# Altium PCB controller_V1.3.1.PcbDoc (part 1 of 7) (continued)
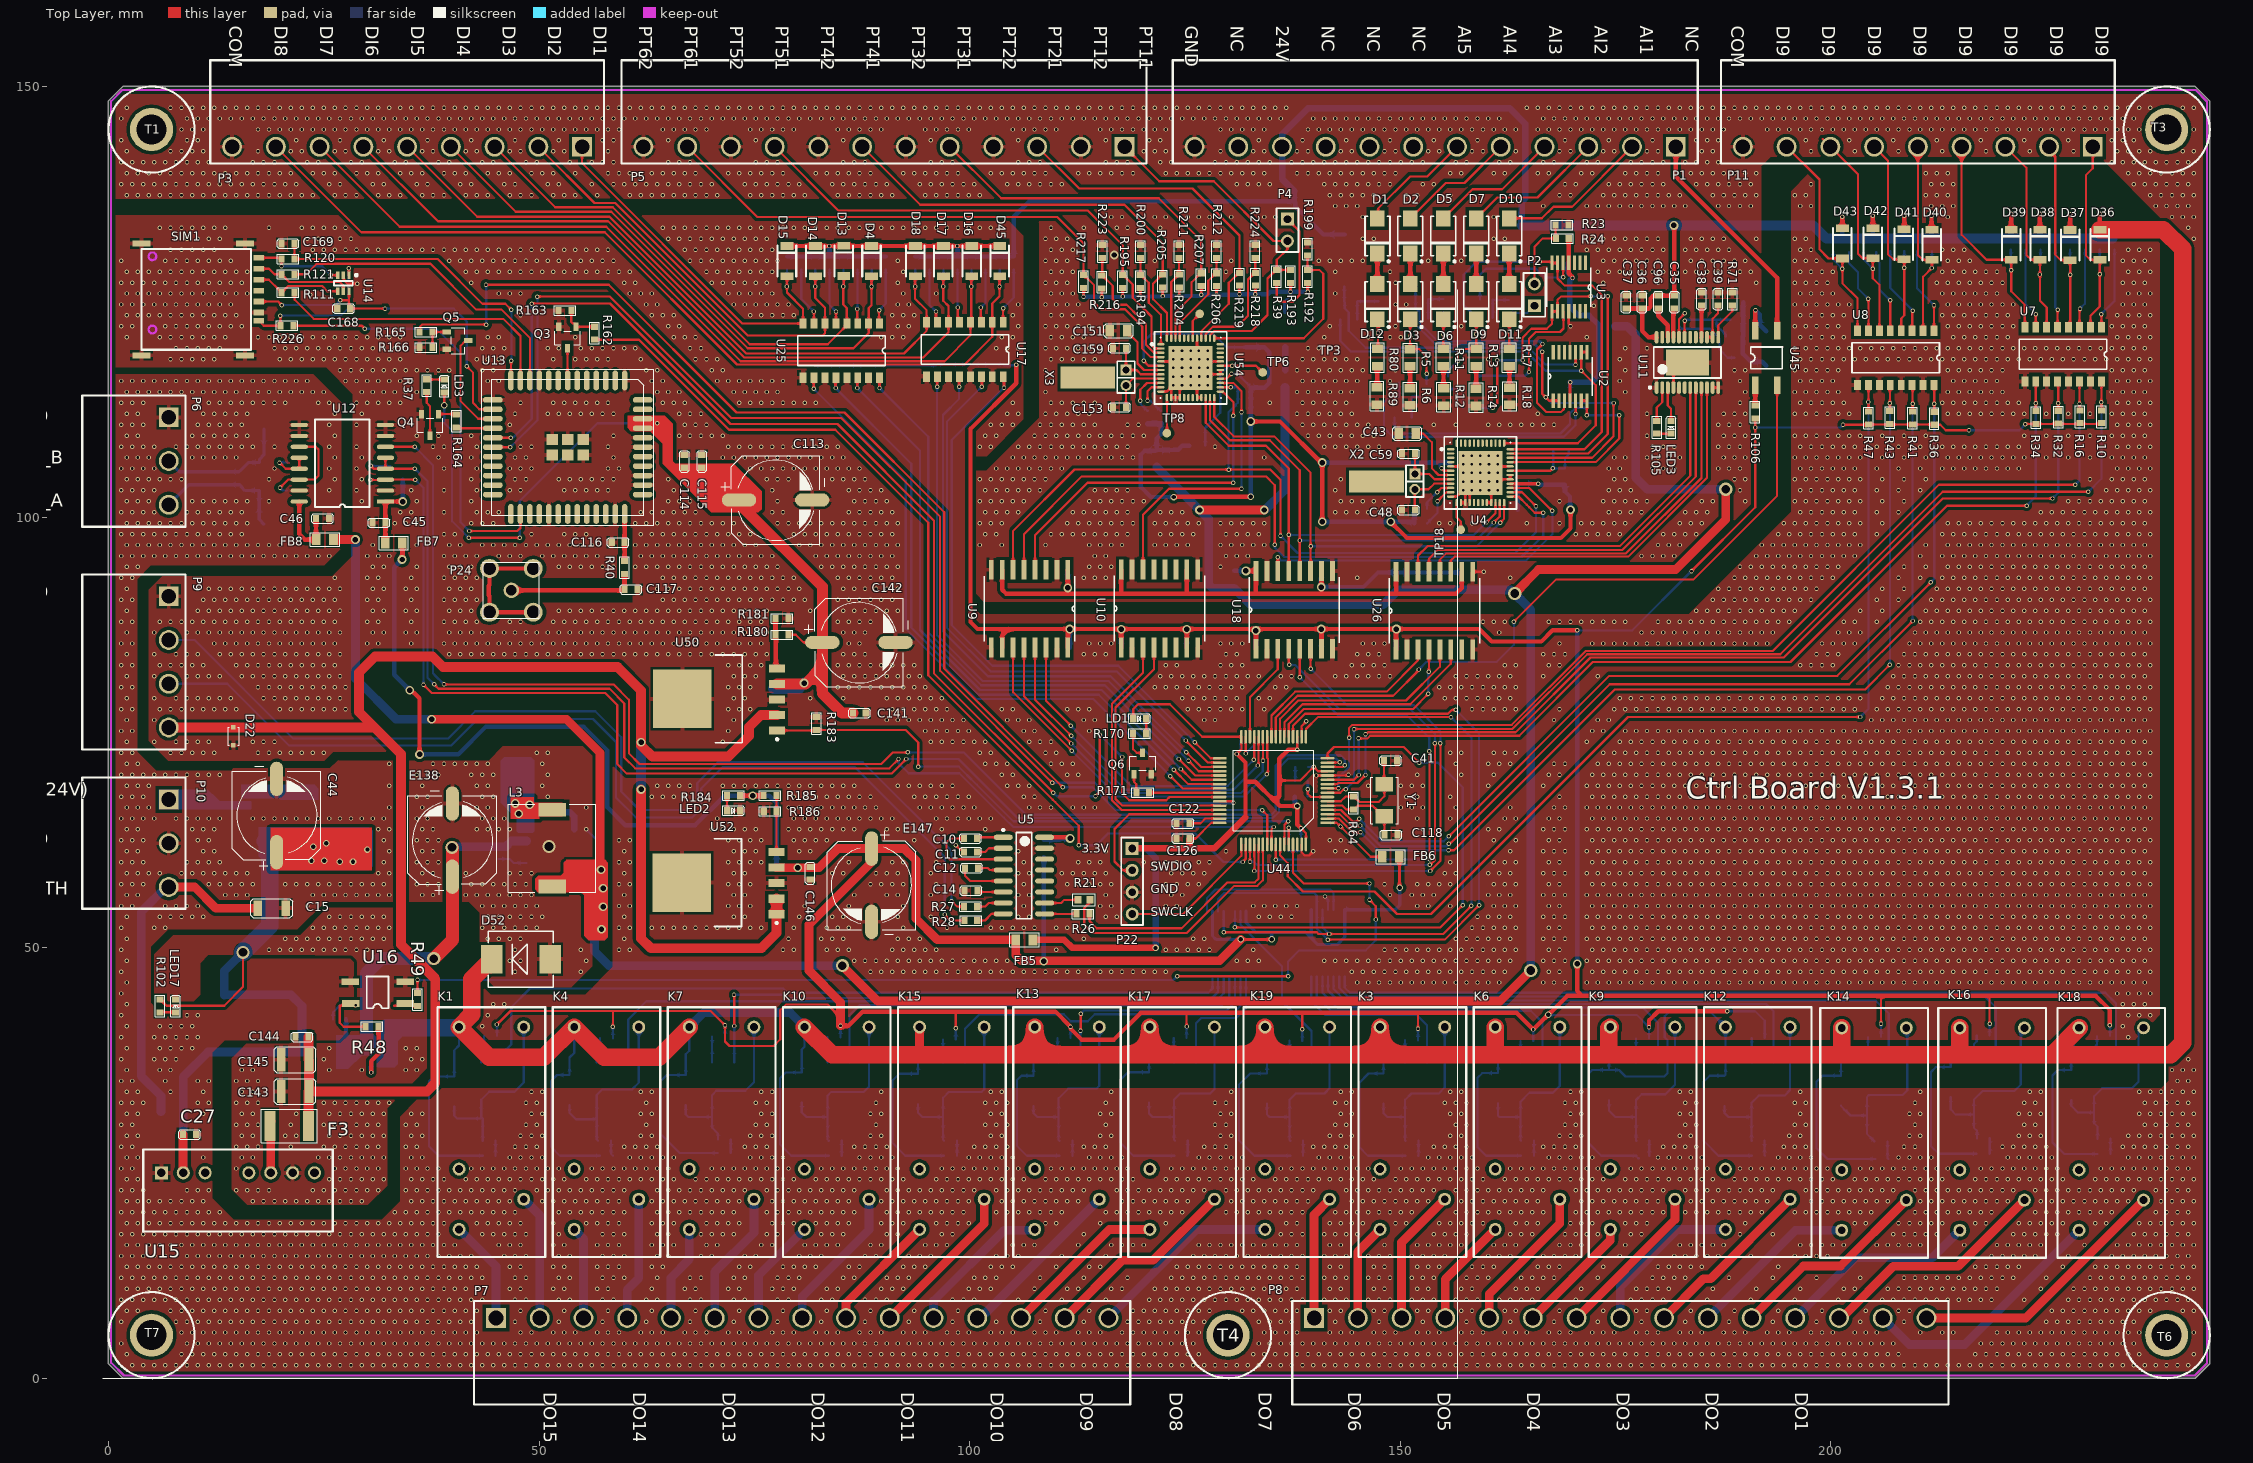
[diagram p0: Top Layer view]
## Components (designator, comment, footprint, x,y, rotation, side; value= is the part's Value field where it differs from the comment) (continued)
K17 "G2RL-1-H" G2RL-1-H 128.426,40.782 r270 top locked
K18 "G2RL-1-H" G2RL-1-H 236.322,40.691 r270 top locked
K19 "G2RL-1-H" G2RL-1-H 141.795,40.782 r270 top locked
L3 "CDRH105NP-100NC" CDRH105 46.407,66.649 r0 top
LD1 "LED_Green_19-217" 0603LED 118.999,76.581 r0 top value=19-217/G7C-AN1P2/3T
LD3 "LED_Green_19-217" 0603LED 38.991,114.478 r90 top value=19-217/G7C-AN1P2/3T
LED2 "5V" 0603LED 71.853,65.913 r0 top
LED3 "LED" 0603LED 181.444,109.677 r90 top
LED17 "5V" 0603LED 7.798,42.469 r90 top
P1 "MHDR1X12" 2ETYR-5.08-12P-14-100 182,143 r180 top locked
P2 "Header 2" HDR1X2 165.583,124.536 r90 top
P3 "Header 9" 2ETYR-5.08-09P-14-100 55,143 r180 top locked
P4 "Header 2" HDR1X2 136.906,134.595 r270 top
P5 "MHDR1X12" 2ETYR-5.08-12P-14-100 118,143 r180 top locked
P6 "Header 3" 2ETYR-5.08-03P-14-100 7,111.582 r270 top locked
P7 "MHDR1X15" 2ETYR-5.08-15P-14-100 45,7 r0 top locked
P8 "MHDR1X15" 2ETYR-5.08-15P-14-100 140,7 r0 top locked
P9 "Header 4" 2ETYR-5.08-04P-14-100 7,90.805 r270 top locked
P10 "Header 3" 2ETYR-5.08-03P-14-100 7,67.208 r270 top locked
P11 "Header 9" 2ETYR-5.08-09P-14-100 230.429,143 r180 top locked
P22 "Header 4" HDR1X4 118.872,61.519 r270 top locked
P24 "Header 5" KH-SMA-KE-Z 46.787,91.491 r0 top locked
Q1 "SQ3419AEEV-T1_GE3" VISH-TSOP-6_V 31.445,37.942 r90 bottom
Q2 "SQ3419AEEV-T1_GE3" VISH-TSOP-6_V 17.145,67.64 r180 bottom
Q3 "MMBT3904" SOT23-3 54.295,122.098 r90 top
Q4 "MMBT3904" SOT23-3 38.331,111.96 r90 top
Q5 "MMBT3904" SOT23-3 39.294,121.49 r180 top
Q6 "MMBT3904" SOT23-3 119.087,70.119 r270 top
Q11 "MMBT3904" SOT23-3 187.796,121.006 r90 bottom
R1 "51K" 0603R#1 155.005,125.306 r270 bottom
R2 "51K" 0603R#1 151.764,125.326 r0 bottom
R3 "51K" 0603R#1 162.631,125.212 r270 bottom
R4 "51K" 0603R#1 159.252,125.247 r0 bottom
R5 "49.9R_1%" 0805R 151.153,117.5 r90 top
R6 "49.9R_1%" 0805R 151.142,112.968 r90 top
R7 "51K" 0603R#1 147.493,125.059 r270 bottom
R8 "51K" 0603R#1 143.503,125.034 r0 bottom
R9 "3.3K" 0603R#1 232.943,131.064 r90 bottom
R10 "5.1K" 0603R#1 231.445,110.896 r90 top
R11 "49.9R_1%" 0805R 155.005,117.526 r90 top
R12 "49.9R_1%" 0805R 155.054,112.943 r90 top
R13 "49.9R_1%" 0805R 158.83,117.526 r90 top
R14 "49.9R_1%" 0805R 158.813,112.892 r90 top
R15 "3.3K" 0603R#1 229.504,131.064 r90 bottom
R16 "5.1K" 0603R#1 228.93,110.896 r90 top
R17 "49.9R_1%" 0805R 162.656,117.526 r90 top
R18 "49.9R_1%" 0805R 162.725,113.038 r90 top
R19 "5.1K" 0603R#1 132.643,115.037 r180 bottom
R20 "1.5K" 0603R#1 151.613,100.965 r0 bottom
R21 "4.7K" 0603R#2 113.28,55.55 r0 top value=100
R22 "100K" 0603R#1 136.982,62.738 r270 bottom
R23 "51K" 0603R#1 169.521,133.909 r180 top
R24 "51K" 0603R#1 168.07,132.359 r0 top
R25 "10K" 0603r 26.086,41.681 r0 bottom
R26 "4.7K" 0603R#1 112.417,53.924 r0 top value=100
R27 "1K" 0603R#1 100.861,54.762 r180 top
R28 "1K" 0603R#1 100.885,53.162 r180 top
R29 "51K" 0603R#1 153.081,113.96 r90 bottom
R30 "51K" 0603R#1 149.829,113.934 r0 bottom
R31 "3.3K" 0603R#1 226.064,131.064 r90 bottom
R32 "5.1K" 0603R#1 226.416,110.846 r90 top
R33 "3.3K" 0603R#1 222.624,131.064 r90 bottom
R34 "5.1K" 0603R#1 223.825,110.82 r90 top
R35 "3.3K" 0603R#1 210.016,130.859 r90 bottom
R36 "5.1K" 0603R#1 212.014,110.717 r90 top
R37 "1K" 0603R#1 36.959,116.002 r270 top
R38 "3.3K" 0603R#1 206.908,130.859 r90 bottom
R39 "100" 0603R#1 135.66,128.7 r270 top
R40 "0" 0603r 59.915,94.905 r270 top value=1K
R41 "5.1K" 0603R#1 209.499,110.743 r90 top
R42 "3.3K" 0603R#1 205.283,130.783 r90 bottom
R43 "5.1K" 0603R#1 206.858,110.793 r90 top
R44 "51K" 0603R#1 155.55,114.859 r90 bottom
R45 "51K" 0603R#1 158.802,114.808 r180 bottom
R46 "3.3K" 0603R#1 202.096,130.759 r90 bottom
R47 "5.1K" 0603R#1 204.368,110.743 r90 top
R48 "100" 0603R#1 31.37,40.818 r180 top
R49 "510" 0603R#1 35.89,43.229 r90 top
R64 "1M" 0603R#1 144.601,67.539 r270 top
R71 "15K/0.1%" 0603R#1 188.558,124.562 r90 top
R72 "1K" 0603R#1 188.328,122.911 r0 bottom
R73 "5.1K" 0603R#1 151.637,99.289 r0 bottom
R75 "5.1K" 0603R#1 122.229,110.846 r90 bottom
R76 "1K" 0603R#1 32.739,105.943 r0 bottom
R80 "49.9R_1%" 0805R 147.353,117.526 r90 top
R81 "3.3K" 0603R#1 90.262,128.754 r90 bottom
R82 "5.1K" 0603R#1 89.535,117.597 r270 bottom
R86 "3.3K" 0603R#1 86.989,128.754 r90 bottom
R87 "5.1K" 0603R#1 86.957,117.597 r270 bottom
R89 "49.9R_1%" 0805R 147.307,113.063 r90 top
R92 "3.3K" 0603R#1 83.716,128.754 r90 bottom
R93 "5.1K" 0603R#1 84.431,117.597 r270 bottom
R96 "3.3K" 0603R#1 80.443,128.754 r90 bottom
R97 "5.1K" 0603R#1 81.97,117.597 r270 bottom
R102 "5.1K" 0603R#1 5.991,42.494 r90 top
R105 "1.5K" 0603R#1 179.793,111.177 r270 top
R106 "510" 0603R#1 191.225,112.931 r270 top
R107 "510" 0603R#1 43.607,39.751 r0 bottom
R108 "3.3K" 0603R#1 105.121,128.754 r90 bottom
R109 "5.1K" 0603R#1 103.988,117.629 r270 bottom
R110 "120" 0603R#1 15.16,105.258 r270 bottom
R111 "10R/5%" 0603r 20.115,126.06 r0 top value=10R
R113 "3.3K" 0603R#1 101.855,128.754 r90 bottom
R114 "5.1K" 0603R#1 101.422,117.724 r270 bottom
R115 "3.3K" 0603R#1 98.589,128.754 r90 bottom
R116 "5.1K" 0603R#1 98.779,117.724 r270 bottom
R117 "3.3K" 0603R#1 95.323,128.754 r90 bottom
R118 "5.1K" 0603R#1 96.227,117.724 r270 bottom
R120 "10R/5%" 0603r 20.086,129.972 r0 top value=10R
R121 "10R/5%" 0603r 20.086,128.194 r0 top value=10R
R122 "51K" 0603R#1 44.954,25.84 r180 bottom
R123 "51K" 0603R#1 218.416,26.064 r180 bottom
R124 "510" 0603R#1 216.941,39.78 r0 bottom
R125 "51K" 0603R#1 58.569,25.84 r180 bottom
R126 "51K" 0603R#1 232.462,26.039 r180 bottom
R127 "510" 0603R#1 57.069,39.472 r0 bottom
R128 "510" 0603R#1 230.911,39.755 r0 bottom
R129 "51K" 0603R#1 72.263,26.162 r180 bottom
R131 "510" 0603R#1 70.099,39.649 r0 bottom
R133 "51K" 0603R#1 85.143,25.84 r180 bottom
R135 "510" 0603R#1 83.51,39.599 r0 bottom
R137 "51K" 0603R#1 111.935,25.84 r180 bottom
R139 "510" 0603R#1 110.205,39.497 r0 bottom
R141 "51K" 0603R#1 98.539,25.84 r180 bottom
R142 "510" 0603R#1 96.896,39.319 r0 bottom
R145 "51K" 0603R#1 125.269,25.84 r180 bottom
R147 "510" 0603R#1 123.694,39.522 r0 bottom
R149 "51K" 0603R#1 138.728,25.84 r180 bottom
R150 "510" 0603R#1 137.131,39.192 r0 bottom
R151 "51K" 0603R#1 152.091,25.84 r180 bottom
R152 "510" 0603R#1 150.567,39.243 r0 bottom
R153 "51K" 0603R#1 165.52,25.84 r180 bottom
R154 "510" 0603R#1 163.953,39.167 r0 bottom
R155 "51K" 0603R#1 178.917,25.84 r180 bottom
R156 "510" 0603R#1 177.388,39.446 r0 bottom
R157 "51K" 0603R#1 192.352,25.84 r180 bottom
R158 "510" 0603R#1 190.826,39.522 r0 bottom
R159 "51K" 0603R#1 206.681,25.455 r180 bottom
R160 "510" 0603R#1 204.323,39.634 r0 bottom
R162 "4.7K" 0603R#1 56.439,120.599 r90 top value=1K
R163 "47K" 0603r 52.248,123.977 r0 top value=1K
R164 "1K" 0603r 40.388,110.414 r90 top
R165 "4.7K" 0603R#1 36.119,121.49 r0 top value=1K
R166 "47K" 0603r 36.119,119.712 r0 top value=1K
R168 "10K" 0603R#1 139.267,67.539 r180 bottom
R170 "1K" 0603r 120.487,74.847 r180 top
R171 "1K" 0603r 120.851,67.996 r180 top
R179 "100K" 0603R#1 45.31,60.298 r90 bottom
R180 "120K/1%" 0603R#1 78.943,86.335 r180 top
R181 "51K/1%" 0603R#1 78.943,88.24 r180 top
R183 "100K/1%" 0603R#1 82.194,76.786 r270 top
R184 "1K" 0603R#1 71.827,67.64 r0 top
R185 "120K/1%" 0603R#1 76.073,67.666 r0 top
R186 "71.5K/1%" 0603R#1 76.093,65.837 r0 top
R189 "5.1K" 0603R#1 132.643,113.259 r180 bottom
R190 "1.5K" 0603R#1 120.705,110.846 r90 bottom
R192 "1K" 0603R#1 139.242,128.672 r270 top
R193 "1K" 0603R#1 137.26,128.672 r270 top
R194 "1K" 0603R#1 119.825,128.111 r270 top
R195 "1K" 0603R#1 117.767,128.11 r270 top
R199 "1K" 0603R#1 139.242,131.898 r270 top
R200 "1K" 0603R#1 119.85,131.589 r270 top
R204 "1K" 0603R#1 124.346,128.16 r270 top
R205 "1K" 0603R#1 122.416,128.16 r270 top
R206 "1K" 0603R#1 128.664,128.313 r270 top
R207 "1K" 0603R#1 126.886,128.313 r270 top
R211 "1K" 0603R#1 124.308,131.589 r270 top
R212 "1K" 0603R#1 128.664,131.589 r270 top
R216 "1K" 0603R#1 115.354,128.031 r270 top
R217 "1K" 0603R#1 113.221,128.088 r270 top
R218 "1K" 0603R#1 133.185,128.364 r270 top
R219 "1K" 0603R#1 131.331,128.364 r270 top
R223 "1K" 0603R#1 115.405,131.589 r270 top
R224 "1K" 0603R#1 133.16,131.589 r270 top
R226 "10R/5%/NC" 0603r 19.963,122.225 r0 top value=10R
R227 "10K" 0603R#1 32.688,104.318 r0 bottom
SIM1 "nano sim" "NANO SIM" 17.469,122.805 r270 top
T1 "TP" M3 5,145 r0 top locked
T3 "TP" M3 239,145 r0 top locked
T4 "TP" M3 130,5 r0 top locked
T6 "TP" m2.5 239,5 r0 top locked
T7 "TP" m2.5 5,5 r0 top locked
TP1 "TEST_POINT" TPD 167.76,107.881 r90 bottom
TP3 "TEST_POINT" TPD 126.721,123.596 r270 top
TP6 "TEST_POINT" TPD 134.032,116.789 r270 top
TP8 "TEST_POINT" TPD 122.908,109.745 r270 top
TP18 "TEST_POINT" TPD 157.027,98.527 r180 top
U1 "LT1790-2.5" SOT23-6 170.325,104.699 r180 bottom
U2 "TLV2454IPW" TSSOP14 169.723,116.332 r90 top
U3 "TLV2454IPW" TSSOP14 169.57,126.695 r270 top
U4 "ADS1158" S-PVFQN-N48 159.313,105.131 r0 top
U5 "MAX3232ESE+" SOIC127P600X265-16N 106.308,58.369 r0 top
U6 "LM22676MRE-5.0/NOPB" SOP127P600X168_HS-8N 51.152,61.747 r180 bottom
U7 "TLP291-4" SOP16-T 231.419,122.048 r270 top
U8 "TLP291-4" SOP16-T 211.988,121.641 r270 top
U9 "ISO7241C" SOIC16 107.21,89.228 r270 top
U10 "ISO7241C" SOIC16 121.789,89.507 r90 top
U11 "AD5410AREZ-REEL7" AD5410AREZ-REEL7 183.351,117.958 r90 top
U12 "ISO3080" SO-16 32.156,101.803 r180 top
U13 "AIR780EX" AIR780EX 53.336,108.113 r270 top
U14 "SMF05C" sc70-6l 27.28,127.152 r270 top
U15 "VRB2405S-6WR3" PWRM-TH_VRB2405S-6WR3 15.037,23.851 r0 top
U16 "AQY210S" sop4 34.442,43.51 r180 top
U17 "TLP291-4" SOP16-T 103.899,122.609 r270 top
U18 "ISO7241C" SOIC16 137.436,89.355 r90 top
U19 "AQY210S" sop4 216.611,36.935 r270 bottom
U20 "AQY210S" sop4 56.689,36.652 r270 bottom
U21 "AQY210S" sop4 230.581,37.164 r270 bottom
U22 "SN74HC595DBR" SSOP16 143.998,48.057 r90 bottom
U23 "AQY210S" sop4 70.1,36.652 r270 bottom
U25 "TLP291-4" SOP16-T 89.548,122.482 r270 top
U26 "ADUM1400" SOIC16 153.717,89.252 r90 top
U28 "SN74HC595DBR" SSOP16 132.532,47.877 r90 bottom
U29 "AQY210S" sop4 83.511,36.652 r270 bottom
U31 "AQY210S" sop4 110.334,36.652 r270 bottom
U33 "AQY210S" sop4 96.923,36.652 r270 bottom
U35 "AQY210S" sop4 123.745,36.652 r270 bottom
U37 "AQY210S" sop4 137.156,36.652 r270 bottom
U38 "AQY210S" sop4 150.567,36.652 r270 bottom
U39 "AQY210S" sop4 163.979,36.652 r270 bottom
U40 "AQY210S" sop4 177.39,36.652 r270 bottom
U41 "AQY210S" sop4 190.801,36.652 r270 bottom
U42 "AQY210S" sop4 204.191,36.834 r270 bottom
U44 "STM32F405RGT6" LQFP-64 141.553,64.491 r180 top
U45 "AQY210S" sop4 191.225,115.291 r90 top
U46 "AQY210S" sop4 43.278,36.652 r270 bottom
U50 "MIC29302" TO228P1435X457-6N 77.65,75.221 r180 top
U52 "MIC29302" TO228P1435X457-6N 77.585,53.887 r180 top
U54 "ADS1158" S-PVFQN-N48 125.658,117.323 r0 top
U56 "LT1790-2.5" SOT23-6 126.445,107.097 r90 bottom
X2 "32768" A 151.693,105.004 r270 top
X3 "32768" A 118.165,117.069 r270 top
Y1 "8MHz" CRAY_5032 148.157,65.253 r90 top

## Footprints (in the part's own frame and the unit in brackets; to place one, negate y for a bottom-side part, rotate by r counter-clockwise, add the part's x,y. Pads: shape width x height; smd on the part's side, far side on the other; paste and mask are expansions set on the pad)
2ETYR-5.08-03P-14-100 [mm]
  rect 2.3x2.3 hole 1.7: 1(0,0)
  round 2.3 hole 1.7: 2(5.08,0) 3(10.16,0)
  silkscreen extent -2.54,-10.04 12.7,1.96, body extent -5.47,-10.03 15.59,1.97, height 8.57
2ETYR-5.08-04P-14-100 [mm]
  rect 2.3x2.3 hole 1.7: 1(0,0)
  round 2.3 hole 1.7: 2(5.08,0) 3(10.16,0) 4(15.24,0)
  silkscreen extent -2.54,-10.04 17.78,1.96, body extent -5.34,-10.03 20.8,1.97, height 8.57
2ETYR-5.08-09P-14-100 [mm]
  rect 2.3x2.3 hole 1.7: 1(0,0)
  round 2.3 hole 1.7: 2(5.08,0) 3(10.16,0) 4(15.24,0) 5(20.32,0) 6(25.4,0) 7(30.48,0) 8(35.56,0) 9(40.64,0)
  silkscreen extent -2.54,-10.04 43.18,1.96, body extent -5.34,-9.91 46.2,2.09, height 8.57
2ETYR-5.08-12P-14-100 [mm]
  rect 2.3x2.3 hole 1.7: 1(0,0)
  round 2.3 hole 1.7: 2(5.08,0) 3(10.16,0) 4(15.24,0) 5(20.32,0) 6(25.4,0) 7(30.48,0) 8(35.56,0) 9(40.64,0) 10(45.72,0) 11(50.8,0) 12(55.88,0)
  silkscreen extent -2.54,-10.04 58.42,1.96, body extent -5.45,-10.03 61.33,1.97, height 8.57
2ETYR-5.08-15P-14-100 [mm]
  rect 2.3x2.3 hole 1.7: 1(0,0)
  round 2.3 hole 1.7: 2(5.08,0) 3(10.16,0) 4(15.24,0) 5(20.32,0) 6(25.4,0) 7(30.48,0) 8(35.56,0) 9(40.64,0) 10(45.72,0) 11(50.8,0) 12(55.88,0) 13(60.96,0) 14(66.04,0) 15(71.12,0)
  silkscreen extent -2.54,-10.04 73.66,1.96, body extent -5.45,-9.97 76.57,2.03, height 8.57
0603C [mm]
  rect 0.7x0.85 smd: 1(0,0) 2(1.5,0)
  silkscreen extent -0.5,-0.55 2,0.55
0603c [mm]
  rect 0.7x0.85 smd: 1(0,0) 2(1.5,0)
  silkscreen extent -0.5,-0.55 2,0.55
0603LED [mm]
  rect 0.7x0.85 smd: 1(0,0) 2(1.5,0)
  silkscreen extent -0.5,-0.55 2,0.55, body extent -0.05,-0.4 1.57,0.41, height 0.61
0603R#1 [mm]
  rect 0.7x0.85 smd: 1(0,0) 2(1.5,0)
  silkscreen extent -0.5,-0.55 2,0.55
0603R#2 [mm]
  rect 0.762x0.889 smd: 1(-0.699,0) 2(0.699,0)
  silkscreen extent -1.32,-0.69 1.32,0.69
0603r [mm]
  rect 0.7x0.85 smd: 1(0,0) 2(1.5,0)
  silkscreen extent -0.5,-0.55 2,0.55
0805C [mm]
  rect 1x1.3 smd: 1(0,0) 2(2,0)
  silkscreen extent -0.7,-0.8 2.7,0.8
0805CZ [mm]
  rect 1x1.3 smd: 1(0,0) 2(2,0)
  silkscreen extent -0.7,-0.8 2.7,0.8
0805r [mm]
  rect 1x1.3 smd: 1(0,0) 2(2,0)
  silkscreen extent -0.7,-0.8 2.7,0.8
0805R [mm]
  rect 1x1.3 smd: 1(0,0) 2(2,0)
  silkscreen extent -0.7,-0.8 2.7,0.8
1206C [mm]
  rect 1x1.8 smd: 1(0,0) 2(3.25,0)
  silkscreen extent -0.8,-1.1 4.05,1.1
1206R [mm]
  rect 1x1.8 smd: 1(0,0) 2(3.25,0)
  silkscreen extent -0.7,-1.1 3.95,1.1
1210C [mm]
  rect 1x2.7 smd: 1(0,0) 2(3.25,0)
  silkscreen extent -0.8,-1.5 4.05,1.5
1812-F [mm]
  rect 1.3x3.5 smd: 1(0,0) 2(4.5,0)
  silkscreen extent -1,-1.95 5.5,1.95
A [mil]
  round 50 hole 32: 1(70,0)
  rect 50x50 hole 32: 2(0,0)
  rect 100x250 smd: 3(34.37,-175)
  silkscreen extent -40,-40 105,40
AD5410AREZ-REEL7 [mm] "SOP, 24-Leads, Body 7.8x4.4mm (max), Pitch 0.65mm, IPC Medium Density"
  oval 1.45x0.45 smd: 1(-2.925,3.575) 2(-2.925,2.925) 3(-2.925,2.275) 4(-2.925,1.625) 5(-2.925,0.975) 6(-2.925,0.325) 7(-2.925,-0.325) 8(-2.925,-0.975) 9(-2.925,-1.625) 10(-2.925,-2.275) 11(-2.925,-2.925) 12(-2.925,-3.575) 13(2.925,-3.575) 14(2.925,-2.925) 15(2.925,-2.275) 16(2.925,-1.625) 17(2.925,-0.975) 18(2.925,-0.325) 19(2.925,0.325) 20(2.925,0.975) 21(2.925,1.625) 22(2.925,2.275) 23(2.925,2.925) 24(2.925,3.575)
  rect 3x5 smd: 25(0,0)
  silkscreen extent -3.05,-3.9 1.8,4.47, body extent -2.2,-3.9 2.2,3.9, height 2.65
AIR780EX [mm]
  oval 2.3x0.65 smd: 1(-7.75,6.6) 2(-7.75,5.5) 3(-7.75,4.4) 4(-7.75,3.3) 5(-7.75,2.2) 6(-7.75,1.1) 7(-7.75,0) 8(-7.75,-1.1) 9(-7.75,-2.2) 10(-7.75,-3.3) 11(-7.75,-4.4) 12(-7.75,-5.5) 13(-7.75,-6.6) 23(7.75,-6.6) 24(7.75,-5.5) 25(7.75,-4.4) 26(7.75,-3.3) 27(7.75,-2.2) 28(7.75,-1.1) 29(7.75,0) 30(7.75,1.1) 31(7.75,2.2) 32(7.75,3.3) 33(7.75,4.4) 34(7.75,5.5) 35(7.75,6.6)
  oval 0.65x2.3 smd: 14(-4.4,-8.7) 15(-3.3,-8.7) 16(-2.2,-8.7) 17(-1.1,-8.7) 18(0,-8.7) 19(1.1,-8.7) 20(2.2,-8.7) 21(3.3,-8.7) 22(4.4,-8.7) 36(4.4,8.7) 37(3.3,8.7) 38(2.2,8.7) 39(1.1,8.7) 40(0,8.7) 41(-1.1,8.7) 42(-2.2,8.7) 43(-3.3,8.7) 44(-4.4,8.7) 95(-5.5,-8.7) 96(5.5,-8.7) 97(5.5,8.7) 98(-5.5,8.7)
  rect 1.3x1.3 smd: 89(-0.9,1.8) 90(-0.9,0) 91(-0.9,-1.8) 92(0.9,-1.8) 93(0.9,0) 94(0.9,1.8)
  silkscreen extent -9.05,-10 9.05,10
C3528 [mil]
  rect 60x100 smd: 1(0,0) 2(135,0)
  silkscreen extent -50,-70 185,70
CDRH105 [mm]
  rect 3.2x1.6 smd: 1(5.1,-0.65) 2(5.1,-9.55)
  silkscreen extent 0,-10.2 10.2,0, body extent -1.04,-11.24 11.46,1.33, height 8
CRAY_5032 [mm]
  rect 1.7x2 smd: 1(0,0) 2(3.7,0)
  silkscreen extent -0.86,-1.6 4.55,1.6
DO-213AB/LL34/MiniMELF [mm]
  rect 0.9x1.5 smd: 1(1.75,0) 2(-1.75,0)
  silkscreen extent -1.8,-1.08 1.8,1.08
DO-214AC [mm] "Molded Diode, 2-Leads, Body 4.3x2.7mm, IPC Medium Density"
  rect 1.85x1.7 smd: 1(-2.05,0) 2(2.05,0)
  silkscreen extent -2.3,-1.45 3.07,1.45, body extent -2.3,-1.45 2.3,1.45, height 2.44
G2RL-1-H [mm]
  round 1.5 hole 0.9: 1(20,0) 2(16.5,-7.5) 3(23.5,-7.5) 4(0,-7.5) 5(0,0)
  silkscreen extent -2.3,-10 26.7,2.5, body extent -2.35,-10.05 26.65,2.66, height 16.2
HDR1X2 [mm] "Connector; Header; 2 Position"
  rect 1.5x1.5 hole 0.9: 1(0,0)
  round 1.5 hole 0.9: 2(2.54,0)
  silkscreen extent -1.27,-1.27 3.81,1.27
HDR1X4 [mm] "Connector; Header; 4 Position"
  rect 1.5x1.5 hole 0.9: 1(0,0)
  round 1.5 hole 0.9: 2(2.54,0) 3(5.08,0) 4(7.62,0)
  silkscreen extent -1.27,-1.27 8.89,1.27
KH-SMA-KE-Z [mm]
  round 1.8 hole 1.2: 1(0,0)
  round 2.2 hole 1.5: 2(-2.54,2.54) 3(2.54,2.54) 4(2.54,-2.54) 5(-2.54,-2.54)
  silkscreen extent -3.25,-3.25 3.25,3.25, body extent -3.25,-3.25 3.26,3.25, height 9.5
LQFP-64 [mm]
  rect 1.6x0.3 smd: 1(0,0)
  oval 1.6x0.3 smd: 2(0,-0.5) 3(0,-1) 4(0,-1.5) 5(0,-2) 6(0,-2.5) 7(0,-3) 8(0,-3.5) 9(0,-4) 10(0,-4.5) 11(0,-5) 12(0,-5.5) 13(0,-6) 14(0,-6.5) 15(0,-7) 16(0,-7.5) 33(12.5,-7.5) 34(12.5,-7) 35(12.5,-6.5) 36(12.5,-6) 37(12.5,-5.5) 38(12.5,-5) 39(12.5,-4.5) 40(12.5,-4) 41(12.5,-3.5) 42(12.5,-3) 43(12.5,-2.5) 44(12.5,-2) 45(12.5,-1.5) 46(12.5,-1) 47(12.5,-0.5) 48(12.5,0)
  oval 0.3x1.6 smd: 17(2.5,-10) 18(3,-10) 19(3.5,-10) 20(4,-10) 21(4.5,-10) 22(5,-10) 23(5.5,-10) 24(6,-10) 25(6.5,-10) 26(7,-10) 27(7.5,-10) 28(8,-10) 29(8.5,-10) 30(9,-10) 31(9.5,-10) 32(10,-10) 49(10,2.5) 50(9.5,2.5) 51(9,2.5) 52(8.5,2.5) 53(8,2.5) 54(7.5,2.5) 55(7,2.5) 56(6.5,2.5) 57(6,2.5) 58(5.5,2.5) 59(5,2.5) 60(4.5,2.5) 61(4,2.5) 62(3.5,2.5) 63(3,2.5) 64(2.5,2.5)
  silkscreen extent 1.59,-8.41 10.91,0.91
m2.5 [mm]
  round 5 hole 3.5 unplated: 1(0,0)
  silkscreen extent -5,-5 5,5
M3 [mm]
  round 5 hole 3.5 unplated: 1(0,0)
  silkscreen extent -5,-5 5,5
"NANO SIM" [mm]
  rect 0.7x2.1 smd: 0(-8.97,-1.615) 0(-8.97,-13.615) 0(4.02,-1.615) 0(4.02,-13.615)
  rect 0.65x1.23 smd: 1(-2.22,0) 2(-4.76,0) 3(-7.3,0) 5(-0.95,0) 6(-3.49,0) 7(-6.03,0) 8(0,0)
  Keep-Out Layer circle w0.254: c1.03,-12.365 r0.45
  Keep-Out Layer circle w0.254: c-7.47,-12.365 r0.45
  silkscreen extent -8.33,-13.64 3.38,-0.91, body extent -8.93,-14.54 4.11,0.03, height 1.35
PWRM-TH_VRB2405S-6WR3 [mil]
  rect 60x60 hole 39.37: 1(-350,0)
  round 60 hole 39.37: 2(-250,0) 3(-150,0) 5(50,0) 6(150,0) 7(250,0) 8(350,0)
  silkscreen extent -433,-268 433,106, body extent -433,-267 433,107, height 472
S-PVFQN-N48 [mm]
  oval 0.85x0.28 smd mask+0.07: 1(-3.45,2.75) 2(-3.45,2.25) 3(-3.45,1.75) 4(-3.45,1.25) 5(-3.45,0.75) 6(-3.45,0.25) 7(-3.45,-0.25) 8(-3.45,-0.75) 9(-3.45,-1.25) 10(-3.45,-1.75) 11(-3.45,-2.25) 12(-3.45,-2.75) 25(3.45,-2.75) 26(3.45,-2.25) 27(3.45,-1.75) 28(3.45,-1.25) 29(3.45,-0.75) 30(3.45,-0.25) 31(3.45,0.25) 32(3.45,0.75) 33(3.45,1.25) 34(3.45,1.75) 35(3.45,2.25) 36(3.45,2.75)
  oval 0.28x0.85 smd mask+0.07: 13(-2.75,-3.45) 14(-2.25,-3.45) 15(-1.75,-3.45) 16(-1.25,-3.45) 17(-0.75,-3.45) 18(-0.25,-3.45) 19(0.25,-3.45) 20(0.75,-3.45) 21(1.25,-3.45) 22(1.75,-3.45) 23(2.25,-3.45) 24(2.75,-3.45) 37(2.75,3.45) 38(2.25,3.45) 39(1.75,3.45) 40(1.25,3.45) 41(0.75,3.45) 42(0.25,3.45) 43(-0.25,3.45) 44(-0.75,3.45) 45(-1.25,3.45) 46(-1.75,3.45) 47(-2.25,3.45) 48(-2.75,3.45)
  rect 5.1x5.1 smd: 49(0,0)
  silkscreen extent -4.62,-4.19 4.19,4.19, body extent -3.45,-3.45 3.45,3.45, height 0.9
sc70-6l [mm]
  rect 0.85x0.4 smd: 1(-0.925,0.65) 2(-0.925,0) 3(-0.925,-0.65) 4(0.925,-0.65) 5(0.925,0) 6(0.925,0.65)
  silkscreen extent -1.09,-1.1 0.25,1.65
sma [mm]
  rect 2x2 smd: 1(0,0) 2(4,0)
  silkscreen extent -1.3,-1.5 5.3,1.5
SMA [mm]
  rect 2x2 smd: 1(0,0) 2(4,0)
  silkscreen extent -1.3,-1.5 5.3,1.5
SMB [mm]
  rect 2.2x2.8 smd: 1(0,0) 2(4.5,0)
  silkscreen extent -1.3,-1.8 5.8,1.8
SMC [mm]
  rect 2.5x3.3 smd: 1(0,0) 2(6.75,0)
  silkscreen extent -0.35,-3.25 7.15,3.25
smc [mm]
  rect 2.5x3.3 smd: 1(0,0) 2(6.75,0)
  silkscreen extent -0.35,-3.25 7.15,3.25
SO-16 [mm]
  rect 2x0.5 smd: 1(0,0)
  oval 2x0.5 smd: 2(0,-1.27) 3(0,-2.54) 4(0,-3.81) 5(0,-5.08) 6(0,-6.35) 7(0,-7.62) 8(0,-8.89) 9(10,-8.89) 10(10,-7.62) 11(10,-6.35) 12(10,-5.08) 13(10,-3.81) 14(10,-2.54) 15(10,-1.27) 16(10,0)
  silkscreen extent 1.84,-9.53 8.17,0.64
sod323 [mm]
  rect 0.5x0.5 smd: 1(0,0) 2(2.1,0)
  silkscreen extent 0,-0.67 2.1,0.68
SOIC16 [mil]
  rect 91x22 smd: 1(-183,165) 2(-183,115) 3(-183,65) 4(-183,15) 5(-183,-35) 6(-183,-85) 7(-183,-135) 8(-183,-185) 9(173,-185) 10(173,-135) 11(173,-85) 12(173,-35) 13(173,15) 14(173,65) 15(173,115) 16(173,165)
  silkscreen extent -155,-217 145,197
SOIC127P600X265-16N [mm] "SOIC, 16-Leads, Body 10.0x4.0mm (max), Pitch 1.27mm, IPC Medium Density"
  oval 2.2x0.6 smd: 1(-2.4,4.445) 2(-2.4,3.175) 3(-2.4,1.905) 4(-2.4,0.635) 5(-2.4,-0.635) 6(-2.4,-1.905) 7(-2.4,-3.175) 8(-2.4,-4.445) 9(2.4,-4.445) 10(2.4,-3.175) 11(2.4,-1.905) 12(2.4,-0.635) 13(2.4,0.635) 14(2.4,1.905) 15(2.4,3.175) 16(2.4,4.445)
  silkscreen extent -2.52,-5 0.9,5.42, body extent -2,-5 2,5, height 2.65
sop4 [mil]
  rect 80x30 smd: 1(0,0) 2(0,-100) 3(250,-100) 4(249,0)
  silkscreen extent 76,-125 176,21
SOP16-T [mm]
  rect 1.2x0.8 smd: 1(0,0) 2(0,-1.27) 3(0,-2.54) 4(0,-3.81) 5(0,-5.08) 6(0,-6.35) 7(0,-7.62) 8(0,-8.89) 9(6.3,-8.89) 10(6.3,-7.62) 11(6.3,-6.35) 12(6.3,-5.08) 13(6.3,-3.81) 14(6.3,-2.54) 15(6.3,-1.27) 16(6.3,0)
  silkscreen extent 1.41,-9.53 4.89,0.64
SOP127P600X168_HS-8N [mm] "SOP, 8-Leads, Body 5.0x4.0mm (max), Pitch 1.27mm, IPC Medium Density"
  oval 1.75x0.6 smd: 1(-2.6,1.905) 2(-2.6,0.635) 3(-2.6,-0.635) 4(-2.6,-1.905) 5(2.6,-1.905) 6(2.6,-0.635) 7(2.6,0.635) 8(2.6,1.905)
  rect 1.9x3 smd: 9(0,0)
  silkscreen extent -2.73,-2.5 1.33,2.88, body extent -2,-2.5 2,2.5, height 1.68
SOT23-3 [mm]
  rect 1x0.6 smd: 1(0,0) 2(0,2) 3(-2.5,1)
  silkscreen extent -2.1,-0.5 -0.5,2.5
SOT23-6 [mm]
  rect 1.1x0.5 smd: 1(-1.2,0.95)
  oval 1.1x0.5 smd: 2(-1.2,0) 3(-1.2,-0.95) 4(1.2,-0.95) 5(1.2,0) 6(1.2,0.95)
  silkscreen extent -1.32,-1.5 0.25,1.92, body extent -0.87,-1.5 0.88,1.5, height 1.45
SSOP16 [mm] "SOP, 16-Leads, Body 5.1x4.5mm (max), Pitch 0.65mm, IPC Medium Density"
  rect 2x0.32 smd: 1(-1.448,-0.432)
  oval 2x0.32 smd: 2(-1.448,-1.082) 3(-1.448,-1.732) 4(-1.448,-2.382) 5(-1.448,-3.032) 6(-1.448,-3.682) 7(-1.448,-4.332) 8(-1.448,-4.982) 9(6.352,-4.982) 10(6.352,-4.332) 11(6.352,-3.682) 12(6.352,-3.032) 13(6.352,-2.382) 14(6.352,-1.732) 15(6.352,-1.082) 16(6.352,-0.432)
  silkscreen extent -2.88,-5.9 7.87,0.42
TO228P1435X457-6N [mm] "D2-PAK, 6-Pads, Body 8.6x10.2mm (max), IPC Medium Density"
  rect 1.85x0.95 smd: 1(0,0) 2(0,-1.8) 3(0,-3.6) 4(0,-5.4) 5(0,-7.2)
  rect 6.8x6.8 smd: 6(11,-3.671)
  silkscreen extent -0.13,-8.77 7.2,1.43, body extent 4.2,-8.77 12.84,1.43, height 4.57
TPD [mm]
  round 1 smd: 1(0,0)
TSSOP14 [mil]
  rect 66x14 smd: 1(-111,76.77) 2(-111,51.18) 3(-111,25.59) 4(-111,0) 5(-111,-25.59) 6(-111,-51.18) 7(-111,-76.77) 8(111,-76.77) 9(111,-51.18) 10(111,-25.59) 11(111,0) 12(111,25.59) 13(111,51.18) 14(111,76.77)
  silkscreen extent -88,-100 88,100
VISH-TSOP-6_V [mm] "SOP, 6-Leads, Body 3.05x1.5mm, Pitch 0.95mm"
  rect 0.95x0.6 smd: 1(-1.25,0.95) 2(-1.25,0) 3(-1.25,-0.95) 4(1.25,-0.95) 5(1.25,0) 6(1.25,0.95)
  silkscreen extent -1.37,-1.5 0.25,1.93, body extent -1.35,-1.5 1.35,1.5, height 1
Φ10×10 [mm]
  oval 1.524x4 smd: 1(0,4.25) 2(0,-4.25)
  silkscreen extent -5.15,-5.71 5.15,6.35, body extent -5.15,-5.65 5.15,5.65, height 10.5

## Part data
C1 C15 C27 C35 C36 C37 C38 C39 C40 C41 C54 C62 C67 C68 C87 C88 C89 C90 C91 C93 C95 C96 C98 C102 C104 C106 C107 C109 C110 C111 C112 C118 C137 C143 C144 C145 C156 C162: library part CAP, "Capacitor"
C2 C3 C4 C5 C6 C7 C8 C13 C16 C17 C18 C19 C20 C21 C22 C23 C24 C25 C26 C43 C47 C48 C49 C56 C57 C58 C59 C63 C65 C73 C76 C78 C79 C80 C84 C85 C86 C108 C114 C115 C116 C117 C119 C120 C121 C122 C123 C124 C125 C126 C127 C128 C133 C134 C135 C136 C138 C141 C146 C147 C151 C153 C157 C159 C160 C161 C163 C164 C165 C166 C167 C168 C169: library part Cap, "Capacitor", LatestRevisionDate=17-Jul-2002, LatestRevisionNote="Re-released for DXP Platform.", PackageReference=RAD-0.3, Published=8-Jun-2000, Publisher="Altium Limited"
  C2 C3 C4 C5 C6 C7 C8 C13 C16 C17 C18 C19 C20 C21 C22 C23 C24 C25 C26 C43 C47 C48 C49 C56 C57 C58 C59 C63 C65 C73 C76 C78 C79 C80 C84 C85 C86 C108 C114 C115 C116 C117 C119 C120 C121 C122 C123 C124 C125 C126 C127 C128 C133 C134 C135 C136 C138 C141 C146 C147 C151 C153 C157 C159 C160 C161 C163 C164 C165 C166 C167: PackageDescription="Radial Cap, Thru-Hole; 2 Leads; 0.3 in Pin Spacing"
C9 C10 C11 C12 C14: library part C
C44 C113 C142 E138 E147: library part "Cap Pol1", "Polarized Capacitor (Radial)", LatestRevisionDate=17-Jul-2002, LatestRevisionNote="Re-released for DXP Platform.", PackageReference=RB7.6-15, Published=8-Jun-2000, Publisher="Altium Limited"
C45 C46: library part C, "C"
D1 D2 D3 D5 D6 D7 D9 D10 D11 D12 D72: library part Diode, "Default Diode", Code_JEDEC=DO-214-AB, LatestRevisionDate=17-Jul-2002, LatestRevisionNote="Re-released for DXP Platform.", PackageReference=SMC, PackageVersion=Sep-1996, Published=8-Jun-2000, Publisher="Altium Limited"
D4 D13 D14 D15 D16 D17 D18 D19 D20 D21 D23 D24 D25 D27 D28 D29 D30 D31 D32 D33 D34 D36 D37 D38 D39 D40 D41 D42 D43 D45 D49: "VISHAY,LL4148,圆柱体MiniMELF100V/2A,ROHS", 制造商=VISHAY, 名称=快速开关二极管, 版本=V1.00, 物料编号=APLLY
D8: library part "Diode 1N4001", "1 Amp General Purpose Rectifier", Code_JEDEC=DO-204-AL, ComponentLink1Description="Manufacturer Link", ComponentLink1URL=http://www.fairchildsemi.com/, ComponentLink2Description=Datasheet, ComponentLink2URL=http://www.fairchildsemi.com/ds/1N%2F1N4001.pdf, DatasheetVersion=1998, LatestRevisionDate=17-Jul-2002, LatestRevisionNote="Re-released for DXP Platform.", PackageReference=DO-41, PackageVersion=Aug-1999, Published=8-Jun-2000, Publisher="Altium Limited"
D22: library part "D Zener", "Zener Diode", LatestRevisionDate=17-Jul-2002, LatestRevisionNote="Re-released for DXP Platform.", PackageReference=DIODE-0.7, Published=8-Jun-2000, Publisher="Altium Limited"
D26 D35 D69 D71 D78 D79: library part "DIODE S", "Schottky Diode"
D52 D75 D76: library part "D Zener", "SMBJ36CA", LatestRevisionDate=17-Jul-2002, LatestRevisionNote="Re-released for DXP Platform.", PackageReference=DIODE-0.7, Published=8-Jun-2000, Publisher="Altium Limited"
E13 E14: library part ELECTRO1, "Electrolytic Capacitor"
F1 F2 F3 F4 F7 F8: library part "Fuse 1", "Fuse", LatestRevisionDate=17-Jul-2002, LatestRevisionNote="Re-released for DXP Platform.", PackageReference=PIN-W2/E2.8, Published=8-Jun-2000, Publisher="Altium Limited"
  F1 F2 F3 F4: PackageDescription="Thru-Hole; 2 Leads"
FB1 FB2 FB3 FB4 FB5 FB6 FB7 FB8 FB9: library part FB, FB=BLM18BD102SN1(muRata), Part Field 1="磁珠/0603/1K ohm/100MHz", Text Field1=FB
K1 K3 K4 K6 K7 K9 K10 K12 K13 K14 K15 K16 K17 K18 K19: library part Relay-SPDT, "Single-Pole Dual-Throw Relay", LatestRevisionDate=17-Jul-2002, LatestRevisionNote="Re-released for DXP Platform.", PackageReference=MODULE5B, Published=24-Mar-1999, Publisher="Altium Limited"
L3: library part INDUCTOR
LED2 LED17: library part LED
P1 P5: "Header, 12-Pin", LatestRevisionDate=17-Jul-2002, LatestRevisionNote="Re-released for DXP Platform.", Publisher="Altium Limited"
P2 P4: "Header, 2-Pin", LatestRevisionDate=17-Jul-2002, LatestRevisionNote="Re-released for DXP Platform.", Publisher="Altium Limited"
P3 P11: "Header, 9-Pin", LatestRevisionDate=17-Jul-2002, LatestRevisionNote="Re-released for DXP Platform.", Publisher="Altium Limited"
P6 P10: "Header, 3-Pin", LatestRevisionDate=17-Jul-2002, LatestRevisionNote="Re-released for DXP Platform.", Publisher="Altium Limited"
P7 P8: "Header, 15-Pin", LatestRevisionDate=17-Jul-2002, LatestRevisionNote="Re-released for DXP Platform.", Publisher="Altium Limited"
P9 P22: "Header, 4-Pin", LatestRevisionDate=17-Jul-2002, LatestRevisionNote="Re-released for DXP Platform.", Publisher="Altium Limited"
P24: "Header, 5-Pin", LatestRevisionDate=17-Jul-2002, LatestRevisionNote="Re-released for DXP Platform.", Publisher="Altium Limited"
Q1 Q2: "Automotive P-Channel MOSFET, 6.9 A, 40 V, -55 to 175 degC, 6-Pin TSOP, RoHS, Tape and Reel", Drain-Source On Resistance-Max=112mO, Drain-to-Source Voltage [Vdss]=40V, Manufacturer="International Rectifier", Package Description="6-Pin Thin Small Outline Package, Body 3 x 1.65 mm, Pitch 1.00 mm", Package Reference=TSOP-6, Rated Power Dissipation=2W, Channel Type=P-Channel, Datasheet URL=https://www.vishay.com/docs/65332/sq3419aeev.pdf, Datasheet Version=04/2010, Manufacturer URL=https://www.vishay.com/, Mounting Technology=SurfaceMount, Qg Gate Charge=25nC
Q3 Q4 Q5 Q6 Q11: library part NPN_MMBT3904
R1 R2 R3 R4 R5 R6 R7 R8 R9 R10 R11 R12 R13 R14 R15 R16 R17 R18 R19 R20 R22 R23 R24 R25 R27 R28 R29 R30 R31 R32 R33 R34 R35 R36 R38 R41 R42 R43 R44 R45 R46 R47 R48 R71 R72 R73 R75 R80 R81 R82 R86 R87 R89 R92 R93 R96 R97 R105 R108 R109 R113 R114 R115 R116 R117 R118 R122 R123 R125 R126 R129 R133 R137 R141 R145 R149 R151 R153 R155 R157 R159 R168 R189 R190: library part Res0805M
R21 R26: library part R
R37 R40 R64 R162 R163 R164 R165 R166 R170 R171: library part RES0603, ID=233, 制造商=三星/YAGEO, 参数值=1.00E+04, 器件等级=——, 工作温度="–55°C to 155°C", 序号=109, 物料主编码(PN)=150000040, 物料名称=贴片电阻, 物料描述=RES,贴片电阻,0603,10k,±1%,1/10W,1.6X0.8X0.45mm,RC1608F103CS/RC0603FR-0710KL, 物料类型=表贴电阻, 精度=±1%, 规格型号(完整型号)=RC1608F103CS/RC0603FR-0710KL
R39 R76 R102 R110 R180 R181 R183 R184 R185 R186 R192 R193 R194 R195 R199 R200 R204 R205 R206 R207 R211 R212 R216 R217 R218 R219 R223 R224 R227: library part R, "R"
R49 R106 R107 R124 R127 R128 R131 R135 R139 R142 R147 R150 R152 R154 R156 R158 R160: library part RES2
R111 R120 R121 R226: library part Res2, "Resistor", LatestRevisionDate=17-Jul-2002, LatestRevisionNote="Re-released for DXP Platform.", PackageReference=AXIAL-0.4, Published=8-Jun-2000, Publisher="Altium Limited"
R179: library part Res1, "Resistor", LatestRevisionDate=17-Jul-2002, LatestRevisionNote="Re-released for DXP Platform.", PackageReference=AXIAL-0.3, Published=8-Jun-2000, Publisher="Altium Limited"
U1 U56: "2.5V Micropower SOT-23  Low Dropout Reference"
U2 U3: library part MAX908EPD, "Quad High-speed, Ultra Low-power, Single-Supply TTL comparator", Code_JEDEC=MS-001-AC, ComponentLink1Description="Manufacturer Link", ComponentLink1URL=http://www.maxim-ic.com/, ComponentLink2Description=Datasheet, ComponentLink2URL=http://pdfserv.maxim-ic.com/en/ds/MAX907-MAX909.pdf, DatasheetVersion=Jul-1994, LatestRevisionDate=29-May-2009, LatestRevisionNote="Component Body Added.", PackageDescription="DIP, 14-Pin, Row Spacing 7.62 mm, Pitch 2.54 mm", PackageReference=PD14, PackageVersion="RevB, 21-0043", Published=16-Jan-2001, Publisher="Altium Limited"
U4 U54: "16-Channel, 16-Bit Analog-to-Digital Converter"
U6: library part LM22676MR-5.0
U7 U8 U17 U25: library part TLP281-4
U15: library part VRB2405S-6WR3_1, input voltage (Vdc)=18V~36V, Insulated Voltage=1600V, JLCPCB Part Class="Extended Part", LCSC Part Name="DC-DC 输入电压18V~36V 输出电压5V输出功率6W1200mA", Manufacturer=YLPTEC(易川), Maximum Capacitive Load=1000uF, Output Current (Max)=1200mA, Output Voltage=5V, Power=6W, Add into BOM=yes, Conversion Efficiency=83%, Convert to PCB=yes, Datasheet=https://atta.szlcsc.com/upload/public/pdf/source/20230612/8A284C0EB4CAD53F2D8A542BA70C1C2A.pdf, Device=VRB2405S-6WR3_1, Manufacturer Part=VRB2405S-6WR3, Number of channel=1, Protective function=短路保护；低功耗, Supplier=LCSC, Supplier Footprint=SIP-8, Supplier Part=C5369848, Symbol=VRB2405S-6WR3_C5369848, Type=降压型
U16 U19 U20 U21 U23 U29 U31 U33 U35 U37 U38 U39 U40 U41 U42 U45 U46: library part Optoisolator1, "4-Pin Phototransistor Optocoupler", DatasheetVersion=Nov-2003, LatestRevisionDate=04-Mar-2005, LatestRevisionNote="Sch pins 3 & 4 Swapped.", PackageReference=DIP-4, Published=24-Mar-1999, Publisher="Altium Limited"
U22 U28: library part 74HC595
U26: library part ISO7241C
U44: "ARM Cortex-M4 32-bit MCU+FPU, 210 DMIPS, 1024 kB Flash, 192 kB Internal RAM, 51 I/Os, 64-pin LQFP, -40 to 85 degC, Tray", I/Os (High Current)=51, Manufacturer=STMicroelectronics, Operating Frequency(F) (Processor speed) (MHz)=168, Supplier Part Number 1=497-11767-ND, Supply Voltage(Vcc) max (V)=3.6, Supply Voltage(Vcc) min (V)=1.8, ComponentLink1Description="Manufacturer URL", ComponentLink1URL=http://www.st.com/web/en/home.html, ComponentLink2Description=Datasheet, ComponentLink2URL=http://www.st.com/st-web-ui/static/active/en/resource/technical/document/datasheet/DM00037051.pdf, ComponentLink3Description="Package Specification", ComponentLink3URL=http://www.st.com/st-web-ui/static/active/en/resource/technical/document/datasheet/DM00037051.pdf, Core="ARM Cortex-M4", D/A Converter=2x12-bit, DatasheetVersion="Rev. 4", FLASH Size (Prog) (kB)=1024, Internal RAM Size (kB)=192, Mounting Technology="Surface Mount", PackageDescription="64-Pin Low Profile Quad Flat Package, 10 x 10 mm Body, 0.5 mm Pitch", PackageReference=LQFP64, PackageVersion="Rev. 4, 06/2013", Packing=Tray, PartNumber=STM32F405RGT6, Supplier 1=Digi-Key, Supplier 2=Farnell, Supplier 3=Newark, Supplier 4=Mouser, Supplier Part Number 2=2064363, Supplier Part Number 3=73T2329, Supplier Part Number 4=511-STM32F405RGT6
X2 X3: library part XTAL, "Crystal Oscillator", LatestRevisionDate=17-Jul-2002, LatestRevisionNote="Re-released for DXP Platform.", PackageReference=R38, Published=8-Jun-2000, Publisher="Altium Limited"
Y1: library part CRYSTAL, "HC49S-8MHz"
LD1 LD3: ID=6, 制造商=Everlight, 器件等级=——, 工作温度="–40°C to 85°C", 序号=33, 物料主编码(PN)=100000032, 物料名称=绿色LED, 物料描述=Other,LED,绿色,0603,1.6X0.8X0.4mm,19-217/G7C-AN1P2/3T, 物料类型=特殊二极管, 规格型号(完整型号)=19-217/G7C-AN1P2/3T
U13: PCB DECAL=AIR780EX

## Via types
v1: diameter 0.508, hole 0.305, Top Layer to Bottom Layer, 9222 vias
v2: diameter 0.508, hole 0.305, Top Layer to Bottom Layer, tented both sides, 294 vias
v3: diameter 0.6, hole 0.3, Top Layer to Bottom Layer, 50 vias
v4: diameter 1.016, hole 0.635, Top Layer to Bottom Layer, tented both sides, 39 vias
v5: diameter 0.762, hole 0.508, Top Layer to Bottom Layer, tented both sides, 16 vias
v6: diameter 1.524, hole 1.016, Top Layer to Bottom Layer, tented both sides, 7 vias
v7: diameter 1.5, hole 1, Top Layer to Bottom Layer, 1 vias

## Nets (pads, with @x,y where several pads share a name; then routed paths per layer and width w, separated by ;. In a path a pad name is that pad's centre, name@x,y a point inside that pad or via, vN(x,y) a via of type N, cw(c..) or ccw(c..) an arc to the next point about the centre after c; other vN are vias at no path point)
2.5VREFM: C1.1 TP1.1 U1.6 U4.31 | length 11
  Top Layer w0.254: U4.31@162.763,105.381 167.433,105.381 v2(167.716,105.664)
  Bottom Layer w0.254: TP1.1@167.76,107.881 167.76,105.708 v2(167.716,105.664) 167.731,105.649 U1.6@169.125,105.649 169.125,106.816 169.563,107.254 C1.1@169.563,107.747
2.5VREFM2: C156.1 TP6.1 U54.31 U56.6 | length 16.1
  Top Layer w0.254: U54.31@129.108,117.573 133.249,117.573 TP6.1@134.032,116.789
  Bottom Layer w0.254: U56.6@127.395,108.297 127.365,108.328 127.365,110.242 C156.1@127.334,110.272 127.334,110.347 129.108,112.121 129.108,116.573 130.108,117.573 v2(130.489,117.573)